# Altium PCB pdb.PcbDoc (part 3 of 3)
Units mm, origin at the board's own origin, x right, y up, seen from the top; angles counter-clockwise.
Board outline 115 x 96 mm, 4 copper layers (Top Layer, PGND, +PBAT, Bottom Layer); 275 components, 205 nets, 915 pads, 468 vias.
Unrouted connection lines stored in the file: 88.
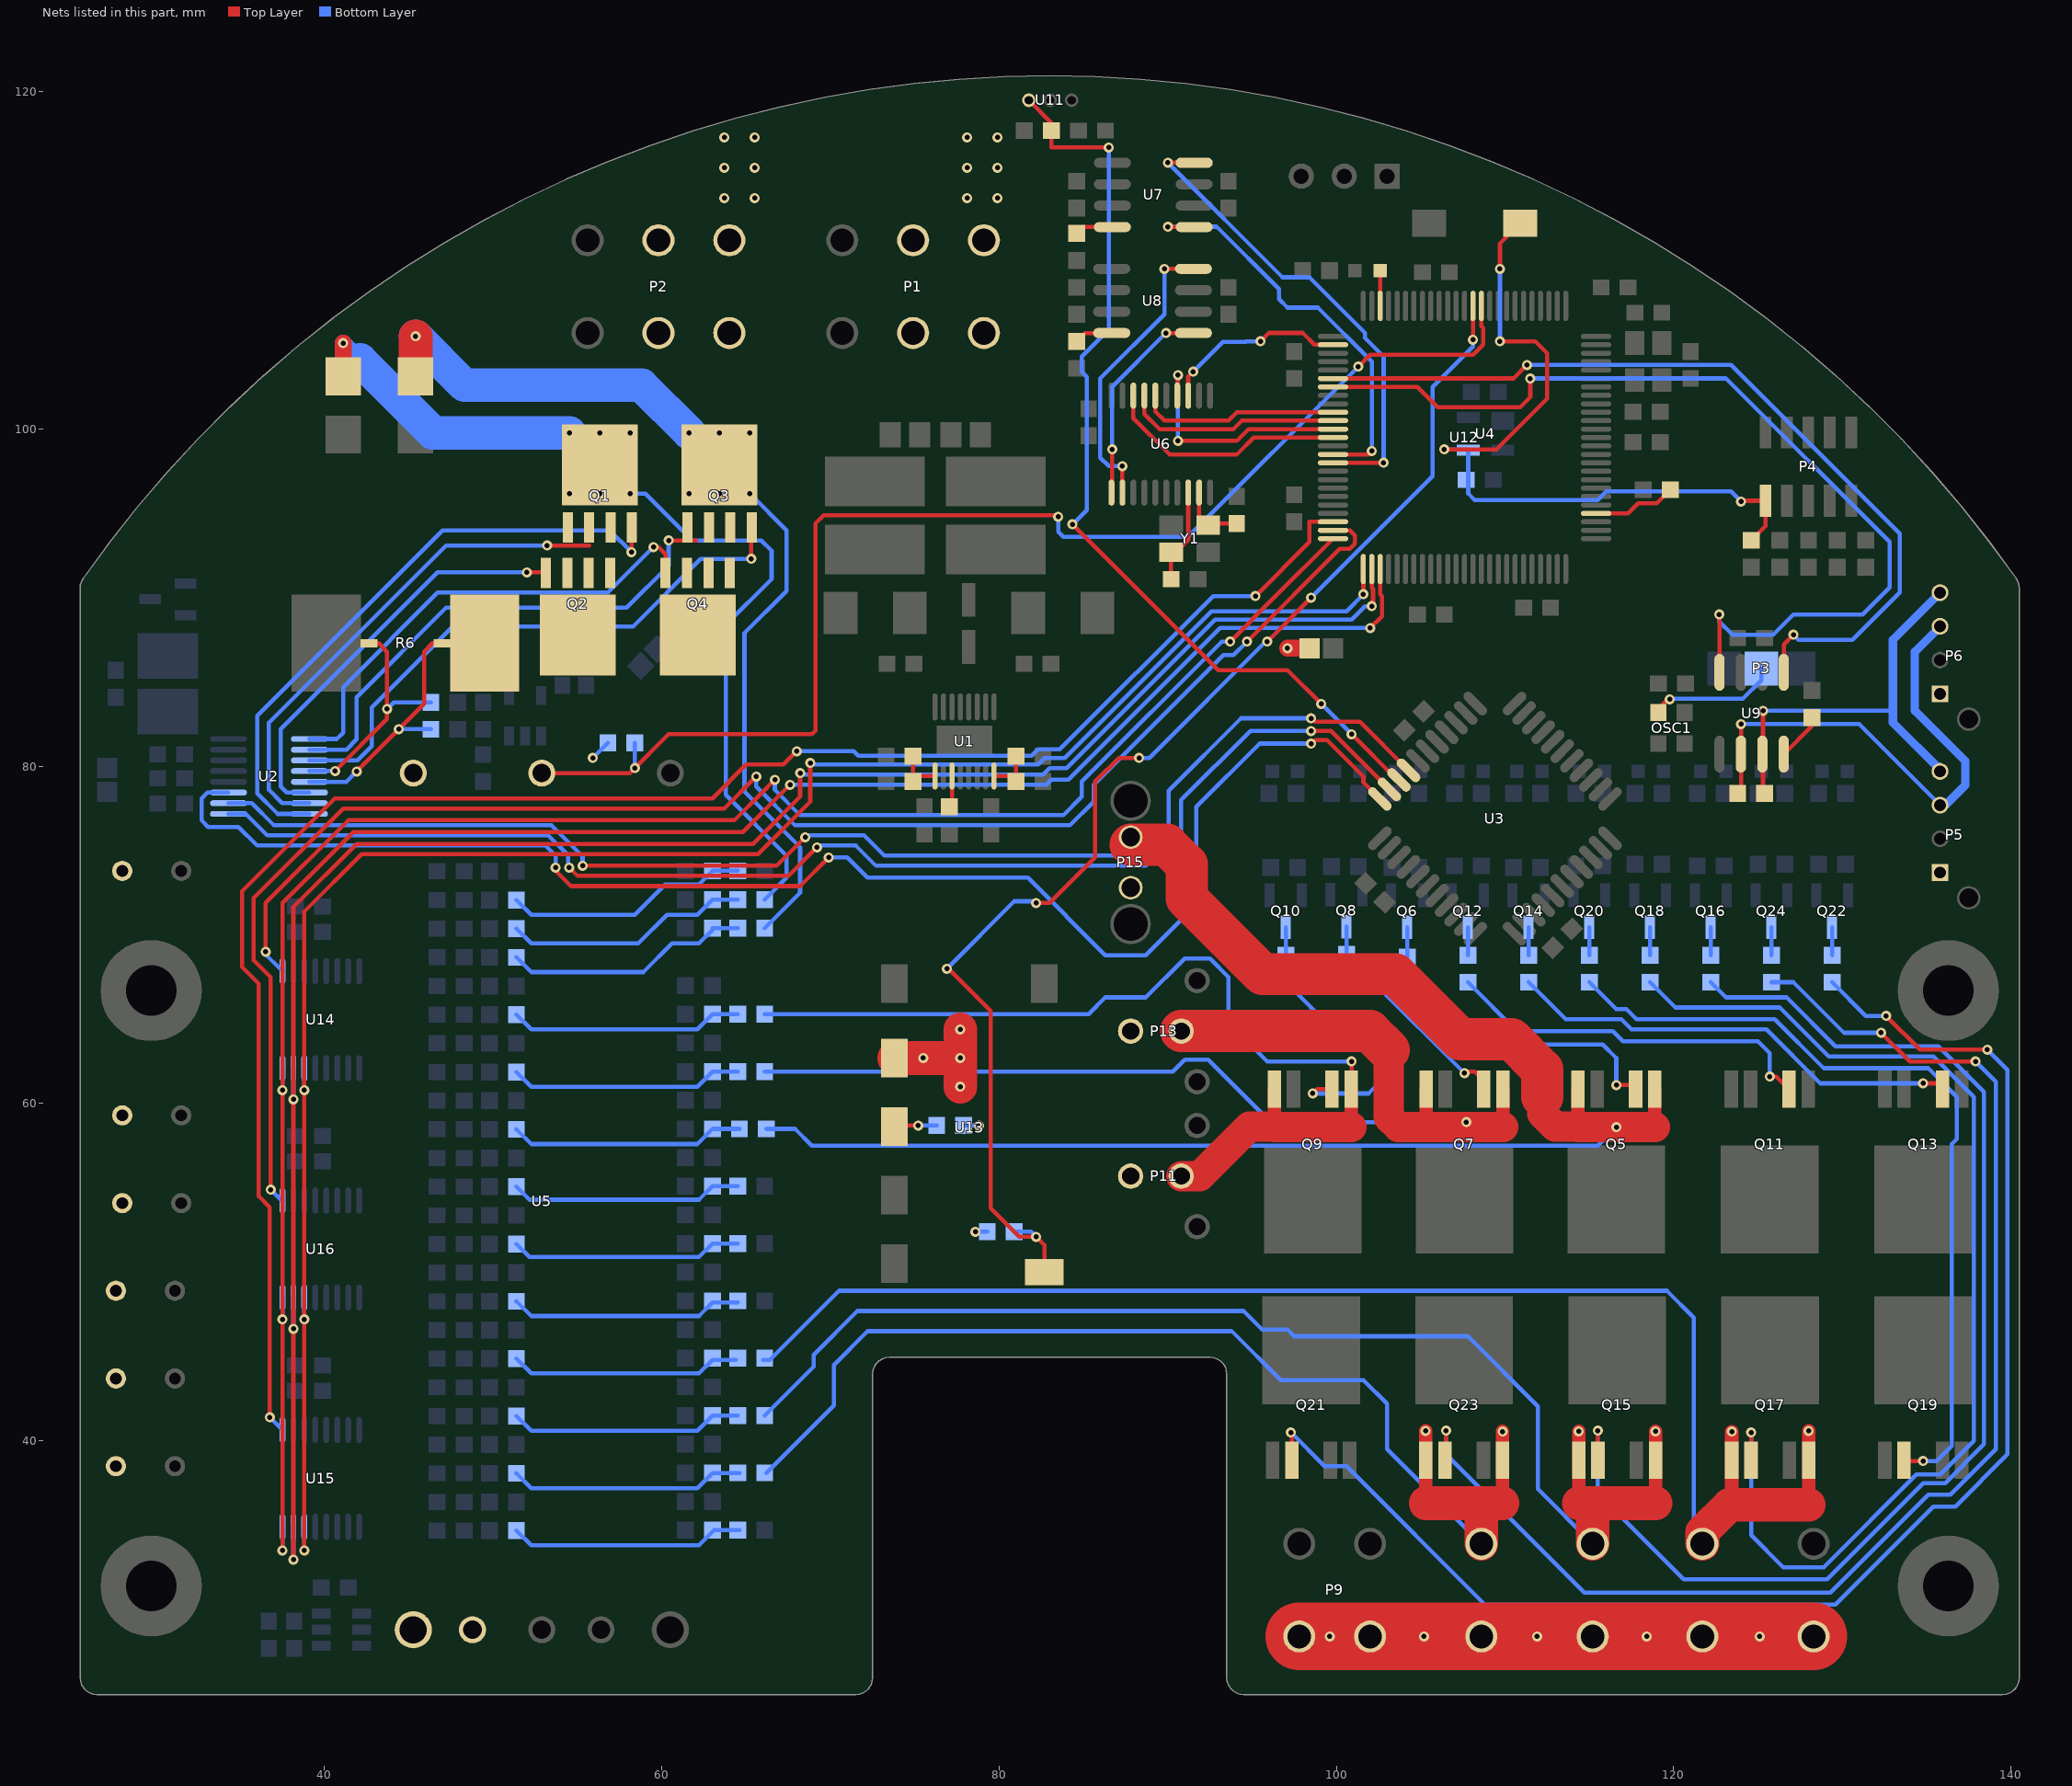
[diagram p5: the nets of this part, all layers, seen from the top]

## Via types
v1: diameter 0.6, hole 0.3, Top Layer to Bottom Layer, 367 vias
v2: diameter 0.6, hole 0.3, Top Layer to Bottom Layer, tented both sides, 87 vias
v3: diameter 0.8, hole 0.4, Top Layer to Bottom Layer, tented both sides, 14 vias

## Nets (pads, with @x,y where several pads share a name; then routed paths per layer and width w, separated by ;. In a path a pad name is that pad's centre, name@x,y a point inside that pad or via, vN(x,y) a via of type N, cw(c..) or ccw(c..) an arc to the next point about the centre after c; other vN are vias at no path point) (continued)
NetP11_2: P11.2 Q9.1 Q9.5 R45.2 | length 57.6
  Top Layer w0.25: Q9.1@100.9,60.87 v1(100.9,62.5)
  Top Layer w0.8: 96.32,58.64 Q9.5@96.32,60.85 ; 100.88,58.62 Q9.1@100.88,60.85
  Top Layer w1.8: P11.2@90.8,55.7 91.9,55.7 94.84,58.64 96.32,58.64 ; 96.32,58.62 100.88,58.62
  Bottom Layer w0.25: R45.2@66.1,65.3 85.3,65.3 86.3,66.3 88.7,66.3 91,68.6 92.5,68.6 93.6,67.5 93.6,64.8 95.9,62.5 v1(100.9,62.5)
NetP12_2: P12.2 Q17.1 Q17.5 R65.2 | length 87.4
  Top Layer w0.8: 123.445,36.345 Q17.1@123.445,38.85 v1(123.445,40.545) ; 128.005,36.205 Q17.5@128.005,38.85 v1(128.005,40.595)
  Top Layer w2: P12.2@121.7,33.9 121.7,34.6 123.305,36.205 128.005,36.205
  Bottom Layer w0.25: R65.2@66,44.8 66.4,44.8 70.5,48.9 119.6,48.9 121.2,47.3 121.2,34.4 P12.2@121.7,33.9
NetP13_2: P13.2 Q7.1 Q7.5 R40.2 | length 71
  Top Layer w0.8: 105.32,58.64 Q7.5@105.32,60.85 ; 109.88,58.62 Q7.1@109.88,60.85
  Top Layer w1.8: 103.1,62.6 103.1,59.2 103.68,58.62 109.88,58.62
  Top Layer w2.5: P13.2@90.8,64.3 101.975,64.3 103.1,63.175
  Bottom Layer w0.25: R40.2@66.1,61.9 90.3,61.9 91,62.6 92.4,62.6 96.1,58.9 v1(107.7,58.9)
NetP14_2: P14.2 Q15.1 Q15.5 R60.2 | length 76.2
  Top Layer w0.8: 114.3,36.3 114.37,36.3 Q15.1@114.37,38.85 v1(114.37,40.57) ; 118.93,36.3 Q15.5@118.93,38.85 v1(118.93,40.57)
  Top Layer w2: 114.37,36.3 115.2,36.3 ; P14.2@115.2,33.9 115.2,36.3 ; 118.93,36.3 115.2,36.3
  Bottom Layer w0.25: R60.2@66.1,41.5 69,44.4 69,45.1 71.6,47.7 94.5,47.7 95.6,46.6 97.1,46.6 97.5,46.2 107.8,46.2 111.95,42.05 111.95,37.15 P14.2@115.2,33.9
NetP15_2: P15.2 Q5.1 Q5.5 R35.2 | length 96.4
  Top Layer w0.8: 114.32,58.64 Q5.5@114.32,60.85 ; 118.88,58.62 Q5.1@118.88,60.85
  Top Layer w1.8: 112.2,60.4 112.2,59.4 112.96,58.64 114.32,58.64 ; 114.32,58.62 118.88,58.62
  Top Layer w2.5: P15.2@87.8,75.35 89.95,75.35 91.125,74.175 91.125,72.175 95.625,67.675 103.5,67.675 107.35,63.825 110.385,63.825 112.2,62.01 112.2,60.4
  Bottom Layer w0.25: R35.2@66.2,58.5 67.9,58.5 68.9,57.5 111.5,57.5 115.5,57.5 v1(116.6,58.6)
NetP16_2: P16.2 Q23.1 Q23.5 R81.2 | length 69.6
  Top Layer w0.8: Q23.1@105.295,38.85 v1(105.295,40.595) ; 105.3,36.3 Q23.1@105.3,38.85 ; 109.855,36.3 Q23.5@109.855,38.85 v1(109.855,40.555)
  Top Layer w2: 105.3,36.3 108.6,36.3 ; P16.2@108.6,33.9 108.6,36.3 ; 109.855,36.3 108.6,36.3
  Bottom Layer w0.25: R81.2@66.2,38.1 70.2,42.1 70.2,44.5 72.2,46.5 93.8,46.5 96.7,43.6 101,43.6 101.6,43.6 103,42.2 103,39.5 P16.2@108.6,33.9
NetQ1_1: Q1.1 Q1.2 Q1.3 Q2.1 Q2.2 Q2.3 U2.15 | length 30.1
  Top Layer w0.25: v1(53.2,93.1) 55.7,93.1
  Bottom Layer w0.25: U2.15@39.1,77.813 37.487,77.813 36.7,78.6 36.7,82.6 47.2,93.1 v1(53.2,93.1)
NetQ1_4: Q1.4 U2.16 | length 36.9
  Top Layer w0.25: v1(58.2,92.7) Q1.4@58.2,94.145
  Bottom Layer w0.25: U2.16@39.1,77.178 37.222,77.178 36,78.4 36,83 47,94 56.9,94 v1(58.2,92.7)
NetQ2_4: Q2.4 U2.14 | length 24.8
  Top Layer w0.25: v1(52,91.5) Q2.4@53.095,91.5
  Bottom Layer w0.25: U2.14@39.1,78.448 37.752,78.448 37.4,78.8 37.4,82.2 46.7,91.5 v1(52,91.5)
NetQ2_5: Q2.5 Q4.5 R6.2
NetQ3_1: Q3.1 Q3.2 Q3.3 Q4.1 Q4.2 Q4.3 U2.10 | length 30.4
  Top Layer w0.25: v1(60.4,93.4) 62.015,93.4
  Bottom Layer w0.25: U2.10@39.1,80.988 41.288,80.988 41.9,81.6 41.9,84.1 47.2,89.4 57.9,89.4 60.4,91.9 v1(60.4,93.4)
NetQ3_4: Q3.4 U2.11 | length 34.3
  Top Layer w0.25: v1(65.3,92.3) Q3.4@65.3,94.145
  Bottom Layer w0.25: U2.11@39.1,80.353 41.953,80.353 42.8,81.2 42.8,83.5 47.6,88.3 58.3,88.3 62.3,92.3 v1(65.3,92.3)
NetQ4_4: Q4.4 U2.9 | length 28.7
  Top Layer w0.25: v1(59.5,93) 59.8,93 60.22,92.58 Q4.4@60.22,91.475
  Bottom Layer w0.25: U2.9@39.1,81.623 40.723,81.623 41.1,82 41.1,84.7 46.7,90.3 56.8,90.3 v1(59.5,93)
NetQ5_2: Q5.2 R36.2 | length 16.7
  Top Layer w0.25: v1(116.6,61.1) Q5.2@117.49,61.1
  Bottom Layer w0.25: R36.2@104.2,67.1 107.8,63.5 115.8,63.5 116.6,62.7 v1(116.6,61.1)
NetQ6_3: Q6.3 R36.1 | length 1.7
  Bottom Layer w0.25: R36.1@104.2,68.7 Q6.3@104.2,70.45
NetQ7_2: Q7.2 R41.2 | length 11.2
  Top Layer w0.25: v1(107.6,61.8) 107.7,61.9 108.2,61.9 108.74,61.36 Q7.2@108.74,60.85
  Bottom Layer w0.25: R41.2@100.6,67.25 102.15,67.25 v1(107.6,61.8)
NetQ8_3: Q8.3 R41.1 | length 1.6
  Bottom Layer w0.25: R41.1@100.6,68.85 Q8.3@100.6,70.5
NetQ9_2: Q9.2 R46.2 | length 15.4
  Top Layer w0.25: v1(98.6,60.6) 98.85,60.85 Q9.2@99.74,60.85
  Bottom Layer w0.25: R46.2@97,67.2 99.9,64.3 102.1,64.3 103,63.4 103,61.7 101.9,60.6 v1(98.6,60.6)
NetQ10_3: Q10.3 R46.1 | length 1.6
  Bottom Layer w0.25: R46.1@97,68.8 Q10.3@97,70.45
NetQ11_2: Q11.2 R51.2 | length 22.5
  Top Layer w0.25: v1(125.7,61.6) 126.09,61.6 Q11.2@126.84,60.85
  Bottom Layer w0.25: R51.2@107.8,67.2 110.7,64.3 116.4,64.3 117,63.7 125,63.7 125.7,63 v1(125.7,61.6)
NetQ12_3: Q12.3 R51.1 | length 1.6
  Bottom Layer w0.25: R51.1@107.8,68.8 Q12.3@107.8,70.45
NetQ13_2: Q13.2 R56.2 | length 26.7
  Top Layer w0.25: v1(134.8,61.2) Q13.2@135.59,61.2
  Bottom Layer w0.25: R56.2@111.4,67.2 113.6,65 116.9,65 117.5,64.4 125.5,64.4 128.7,61.2 v1(134.8,61.2)
NetQ14_3: Q14.3 R56.1 | length 1.6
  Bottom Layer w0.25: R56.1@111.4,68.8 Q14.3@111.4,70.45
NetQ15_2: Q15.2 R61.2 | length 73.6
  Top Layer w0.25: Q15.2@115.5,38.86 v1(115.5,40.6)
  Bottom Layer w0.25: v1(115.5,40.6) 115.5,36.9 120.6,31.8 129.1,31.8 134.8,37.5 136.1,37.5 138.4,39.8 138.4,60.7 135.7,63.4 129.6,63.4 126.7,66.3 123.1,66.3 R61.2@122.2,67.2
NetQ16_3: Q16.3 R61.1 | length 1.7
  Bottom Layer w0.25: R61.1@122.2,68.8 Q16.3@122.2,70.45
NetQ17_2: Q17.2 R66.2 | length 67.2
  Top Layer w0.25: Q17.2@124.6,38.865 v1(124.6,40.5)
  Bottom Layer w0.25: R66.2@118.6,67.2 120.1,65.7 126.3,65.7 129.2,62.8 135.4,62.8 137.8,60.4 137.8,40 135.8,38 134.4,38 128.9,32.5 126.5,32.5 124.6,34.4 v1(124.6,40.5)
NetQ18_3: Q18.3 R66.1 | length 1.6
  Bottom Layer w0.25: R66.1@118.6,68.8 Q18.3@118.6,70.45
NetQ19_2: Q19.2 R71.2 | length 48.6
  Top Layer w0.25: Q19.2@133.71,38.8 v1(134.8,38.8)
  Bottom Layer w0.25: R71.2@115,67.2 116.6,65.6 117.2,65.6 117.8,65 126,65 128.9,62.1 135.1,62.1 136.8,60.4 136.8,57.9 136.5,57.6 136.5,39.7 135.6,38.8 v1(134.8,38.8)
NetQ20_3: Q20.3 R71.1 | length 1.6
  Bottom Layer w0.25: R71.1@115,68.8 Q20.3@115,70.45
NetQ21_2: Q21.2 R76.2 | length 87.4
  Top Layer w0.25: v1(97.3,40.5) 97.36,40.44 Q21.2@97.36,38.85 ; v1(132.6,65.2) 134.6,63.2 v1(138.6,63.2)
  Bottom Layer w0.25: v1(97.3,40.5) 99.3,38.5 100.6,38.5 108.8,30.3 129.6,30.3 135.4,36.1 136.7,36.1 139.8,39.2 139.8,62 v1(138.6,63.2) ; R76.2@129.4,67.2 131.4,65.2 v1(132.6,65.2)
NetQ22_3: Q22.3 R76.1 | length 1.7
  Bottom Layer w0.25: R76.1@129.4,68.8 Q22.3@129.4,70.45
NetQ23_2: Q23.2 R82.2 | length 80.1
  Top Layer w0.25: Q23.2@106.5,38.915 v1(106.5,40.6) ; v1(132.3,64.2) 134,62.5 v1(137.9,62.5)
  Bottom Layer w0.25: v1(106.5,40.6) 106.5,39.2 114.7,31 129.3,31 135.1,36.8 136.4,36.8 139.1,39.5 139.1,61.3 v1(137.9,62.5) ; R82.2@125.8,67.2 127.1,67.2 130.1,64.2 v1(132.3,64.2)
NetQ24_3: Q24.3 R82.1 | length 1.6
  Bottom Layer w0.25: R82.1@125.8,68.8 Q24.3@125.8,70.45
NetR1_1: R1.1 R3.2 U1.16 | length 2.5
  Top Layer w0.25: U1.16@79.7,79.425 R3.2@80.675,79.425 ; R3.2@81,79.1 R1.1@81,80.6
NetR2_1: R2.1 R4.2 U1.9 | length 2.5
  Top Layer w0.25: R4.2@74.9,79.1 R2.1@74.9,80.6 ; R4.2@75.225,79.425 U1.9@76.2,79.425
NetR5_2: R5.2 U1.11 | length 1.7
  Top Layer w0.25: R5.2@77.2,77.75 U1.11@77.2,79.425
NetR6_3: R6.3 R115.2 U2.12 | length 13.9
  Top Layer w0.25: v1(40.618,79.718) 43.7,82.8 43.7,86.8 43.2,87.3 R6.3@42.641,87.3
  Bottom Layer w0.25: U2.12@39.1,79.718 v1(40.618,79.718) ; v1(43.7,83.4) 44.1,83.8 R115.2@46.3,83.8
NetR6_4: R6.4 R114.2 U2.13 | length 15.8
  Top Layer w0.25: v1(41.9,79.7) 45.9,83.7 45.9,86.8 46.4,87.3 R6.4@46.959,87.3
  Bottom Layer w0.25: U2.13@39.1,79.083 40.5,79.083 ; v1(41.9,79.7) 41.283,79.083 ; v1(44.4,82.2) R114.2@46.3,82.2 ; 40.5,79.083 41.283,79.083 ; 40.5,79.083 41.283,79.083
NetR26_2: R26.2 U7.8 | length 2.3
  Top Layer w0.25: R26.2@84.6,111.6 84.981,111.981 U7.8@86.718,111.981
NetR27_2: R27.2 U8.8 | length 2.3
  Top Layer w0.25: R27.2@84.6,105.2 85.095,105.695 U8.8@86.675,105.695
NetR28_2: R28.2 U9.8 | length 2.9
  Top Layer w0.25: U9.8@126.53,80.725 128.2,82.395 R28.2@128.2,82.9
NetR32_2: R32.2 U3.20 U11.3 | length 55.4
  Top Layer w0.25: U11.3@81.76,119.5 R32.2@83.1,118.16 ; R32.2@83.1,117.7 83.1,116.7 v1(86.5,116.7) ; v1(84.35,94.35) 93,85.7 97.1,85.7 v1(99.1,83.7) ; v1(100.9,81.9) 103.602,79.198 U3.20@103.708,79.198
  Bottom Layer w0.25: v1(84.35,94.35) 85.2,95.2 85.2,103.1 84.9,103.4 84.9,104.3 86.5,105.9 v1(86.5,116.7) ; v1(99.1,83.7) v1(100.9,81.9)
NetR33_1: R33.1 U12.4 | length 5
  Top Layer w0.25: U12.4@115.4,95 117.3,95 117.9,95.6 119,95.6 R33.1@119.8,96.4
NetR86_2: R86.2 U13.5 | length 2.5
  Top Layer w0.25: U13.5@73.85,58.7 v1(75.2,58.7)
  Bottom Layer w0.25: v1(75.2,58.7) R86.2@76.3,58.7
NetR112_1: R112.1 U5.2 U12.36 | length 79
  Top Layer w0.25: U5.2@52.88,79.6 58.1,79.6 60.4,81.9 68.9,81.9 69.1,82.1 69.1,94.4 69.6,94.9 83.4,94.9 v1(83.5,94.8) ; v1(101.3,103.7) 102,104.4 108.1,104.4 108.7,105 108.7,106 108.6,106.1 U12.36@108.6,107.3
  Bottom Layer w0.25: v1(58.4,79.9) R112.1@58.4,81.4 ; v1(83.5,94.8) 83.5,93.9 83.8,93.6 91.2,93.6 v1(101.3,103.7)
NetR113_1: R113.1 U12.37 U13.1 | length 77.3
  Top Layer w0.25: v1(76.9,68) 77,68 79.5,65.5 79.5,53.8 81.2,52.1 v1(82.2,52.1) 82.68,51.62 U13.1@82.68,50.01 ; v1(82.2,71.9) 83,71.9 85.7,74.6 85.7,79.1 87.1,80.5 v1(88.3,80.5) ; v1(95.9,87.4) v1(98.5,90) ; v1(108.1,105.3) U12.37@108.1,107.3
  Bottom Layer w0.25: v1(76.9,68) 80.9,72 82.1,72 v1(82.2,71.9) ; R113.1@80.9,52.4 81.9,52.4 v1(82.2,52.1) ; v1(88.3,80.5) 88.9,80.5 95.9,87.5 v1(95.9,87.4) ; v1(98.5,90) 105.7,97.2 105.7,102.5 108.1,104.9 v1(108.1,105.3)
NetU2_1: U2.1 U3.21 | length 77.7
  Top Layer w0.25: v1(54.5,74) 55,73.5 67.5,73.5 v1(69.2,75.2) ; v1(98.5,82.1) 99.675,82.1 U3.21@103.142,78.632
  Bottom Layer w0.25: U2.1@34.3,77.178 35.322,77.178 36.6,75.9 53.278,75.9 54.45,74.728 54.45,74.05 v1(54.5,74) ; v1@69.3,75.3 71.5,75.3 72.7,74.1 88.7,74.1 90.8,76.2 90.8,78 94.9,82.1 v1(98.5,82.1)
NetU2_2: U2.2 U3.19 | length 79
  Top Layer w0.25: v1(55.3,74.1) 66.8,74.1 v1(68.5,75.8) ; v1(98.5,82.85) 98.563,82.85 98.763,82.65 101.387,82.65 U3.19@104.273,79.764
  Bottom Layer w0.25: U2.2@34.3,77.813 35.687,77.813 37,76.5 53.456,76.5 55.3,74.656 v1(55.3,74.1) ; v1(68.5,75.8) 68.6,75.9 72,75.9 73.2,74.7 88.3,74.7 90.05,76.45 90.05,78.55 94.35,82.85 v1(98.5,82.85)
NetU2_3: U2.3 U3.22 | length 88.5
  Top Layer w0.25: v1(53.7,74) 53.7,73.8 54.6,72.9 68.2,72.9 v1(69.9,74.6) ; v1(98.5,81.35) 98.563,81.35 98.763,81.55 99.447,81.55 101.6,79.397 101.6,79.043 U3.22@102.576,78.067
  Bottom Layer w0.25: U2.3@34.3,78.448 33.048,78.448 32.7,78.1 32.7,76.8 33.1,76.4 34.9,76.4 36,75.3 53.1,75.3 53.7,74.7 v1(53.7,74) ; v1(69.9,74.6) 71,74.6 72.2,73.4 81.7,73.4 86.3,68.8 88.7,68.8 91.7,71.8 91.7,77.6 95.45,81.35 v1(98.5,81.35)
NetU6_13: U6.13 U12.52 | length 11.1
  Top Layer w0.25: U6.13@91.211,101.983 91.211,103.111 v1(91.5,103.4) ; v1(95.5,105.2) 96,105.7 98,105.7 98.7,105 U12.52@99.8,105
  Bottom Layer w0.25: v1(91.5,103.4) 93.275,105.175 94.625,105.175 ; 94.625,105.2 v1(95.5,105.2)
NetU6_14: U6.14 U12.62 | length 14.6
  Top Layer w0.25: v1(90.6,99.3) 94.1,99.3 94.8,100 U12.62@99.8,100 ; U6.14@90.6,102.021 v1(90.6,103.2)
  Bottom Layer w0.25: v1(90.6,99.3) v1(90.6,103.2)
NetU6_16: U6.16 U12.60 | length 11.9
  Top Layer w0.25: U6.16@89.261,101.983 89.261,101.039 89.8,100.5 93.6,100.5 94.1,101 U12.60@99.8,101
NetU6_17: U6.17 U12.61 | length 12.9
  Top Layer w0.25: U6.17@88.611,101.983 88.611,100.889 89.5,100 93.9,100 94.4,100.5 U12.61@99.8,100.5
NetU6_18: U6.18 U12.63 | length 14.5
  Top Layer w0.25: U6.18@87.961,101.983 87.961,100.639 90.1,98.5 94.1,98.5 95.1,99.5 U12.63@99.8,99.5
NetU7_1: U7.1 U12.65 | length 25
  Top Layer w0.25: v1(90,112) 90.019,111.981 U7.1@91.568,111.981 ; U12.65@99.8,98.5 101.9,98.5 v1(102.1,98.7)
  Bottom Layer w0.25: v1(90,112) 92.9,112 96.6,108.3 96.6,107.7 97.1,107.2 98.9,107.2 102.1,104 v1(102.1,98.7)
NetU7_4: U7.4 U12.66 | length 28.6
  Top Layer w0.25: v1(90,115.8) 91.558,115.8 U7.4@91.568,115.791 ; U12.66@99.8,98 v1(102.8,98)
  Bottom Layer w0.25: v1(90,115.8) 96.8,109 98.4,109 101.7,105.7 101.7,105.4 102.8,104.3 v1(102.8,98)
NetU8_1: U6.1 U8.1 | length 12.4
  Top Layer w0.25: U6.1@86.7,96.271 v1(86.7,98.8) ; v1(89.9,105.7) 89.905,105.695 U8.1@91.525,105.695
  Bottom Layer w0.25: v1(86.7,98.8) 86.7,102.5 v1(89.9,105.7)
NetU8_4: U6.2 U8.4 | length 17.6
  Top Layer w0.25: v1(87.3,97.8) 87.3,96.244 U6.2@87.311,96.233 ; v1(89.8,109.5) 89.805,109.505 U8.4@91.525,109.505
  Bottom Layer w0.25: v1(87.3,97.8) 86.5,97.8 86,98.3 86,103 89.8,106.8 v1(89.8,109.5)
NetU9_1: U9.1 U12.56 | length 51.6
  Top Layer w0.25: U12.56@99.8,103 110.5,103 v1(111.3,103.8) ; U9.1@126.53,85.575 126.53,87.23 v1(127.1,87.8)
  Bottom Layer w0.25: v1(111.3,103.8) 123.4,103.8 133.4,93.8 133.4,90.3 130.6,87.5 127.4,87.5 v1(127.1,87.8)
NetU9_4: U9.4 U12.57 | length 57
  Top Layer w0.25: U12.57@99.8,102.5 104.8,102.5 106,101.3 110.9,101.3 111.5,101.9 v1(111.5,103) ; v1(122.7,89) 122.72,88.98 U9.4@122.72,85.575
  Bottom Layer w0.25: v1(111.5,103) 123.1,103 132.8,93.3 132.8,90.6 131.2,89 127.1,89 125.9,87.8 123.5,87.8 122.7,88.6 v1(122.7,89)
NetU9_6: P5.3 P6.3 R29.2 U9.6 | length 30.9
  Top Layer w0.25: R29.2@124,78.6 v1(124,82.5)
  Bottom Layer w0.25: v1(124,82.5) 131,82.5 P5.3@135.8,77.7
  Bottom Layer w0.5: P5.3@135.8,77.7 136.1,77.7 137.3,78.9 137.3,80.3 134.3,83.3 134.3,86.8 P6.3@135.8,88.3
NetU9_7: P5.4 P6.4 R29.1 U9.7 | length 25.6
  Top Layer w0.25: v1(125.3,83.3) 125.3,78.5 R29.1@125.4,78.4
  Bottom Layer w0.25: v1(125.3,83.3) 133,83.3
  Bottom Layer w0.5: P5.4@135.8,79.7 135.8,79.8 133,82.6 133,83.3 133,87.5 P6.4@135.8,90.3
NetU12_73: U12.73 U15.1 | length 107.6
  Top Layer w0.25: v1(36.75,41.4) 36.75,53.85 36.1,54.5 36.1,67.1 35.1,68.1 35.1,72.6 40.6,78.1 63,78.1 65,80.1 67.2,80.1 v1(68,80.9) ; v1(95.2,90.1) 98.4,93.3 98.4,94.5 U12.73@99.8,94.5
  Bottom Layer w0.25: v1(36.75,41.4) U15.1@37.5,40.65 ; v1(68,80.9) 71.37,80.9 71.645,80.625 81.925,80.625 82.3,81 83.6,81 92.7,90.1 v1(95.2,90.1)
NetU12_74: U12.74 U16.1 | length 97.9
  Top Layer w0.25: v1(36.8,54.9) 36.8,67.5 35.8,68.5 35.8,72.2 41.1,77.5 63.7,77.5 v1(65.6,79.4) ; v1(94.7,87.4) 100.2,92.9 100.8,92.9 101.1,93.2 101.1,93.7 100.8,94 U12.74@99.8,94
  Bottom Layer w0.25: v1(36.8,54.9) 37.45,54.25 U16.1@37.5,54.25 ; v1(65.6,79.4) 65.6,78.8 67.9,76.5 84.2,76.5 85.6,77.9 85.6,78.9 93.3,86.6 93.9,86.6 v1(94.7,87.4)
NetU12_75: U12.75 U14.1 | length 79.5
  Top Layer w0.25: v1(36.5,69) 36.5,71.9 41.4,76.8 64.3,76.8 65.9,78.4 v1(66.7,79.2) ; v1(93.7,87.4) 96.3,90 U12.75@99.8,93.5
  Bottom Layer w0.25: v1(36.5,69) 36.35,69 U14.1@37.5,67.85 ; v1(66.7,79.2) 66.7,78.6 68.2,77.1 83.8,77.1 84.9,78.2 84.9,79.1 93.2,87.4 v1(93.7,87.4)
NetU12_76: U12.76 U14.14 U15.14 U16.14 | length 115.4
  Top Layer w0.25: v1(38.8,33.5) v1(38.8,47.2) v1(38.8,60.8) 38.8,71.4 42.2,74.8 65.7,74.8 68.8,77.9 v1(68.8,80.2) ; v1(101.6,90.2) U12.76@101.6,91.7
  Bottom Layer w0.25: v1(38.8,33.5) U15.14@38.8,34.9 ; v1(38.8,47.2) U16.14@38.8,48.5 ; v1(38.8,60.8) U14.14@38.8,62.1 ; v1(68.8,80.2) 68.9,80.1 82.3,80.1 82.7,80.5 83.9,80.5 92.6,89.2 100.6,89.2 v1(101.6,90.2)
NetU12_77: U12.77 U14.15 U15.15 U16.15 | length 118.7
  Top Layer w0.25: v1(38.15,32.95) v1(38.15,46.65) v1(38.15,60.25) 38.15,71.65 41.9,75.4 65.4,75.4 68.2,78.2 v1(68.2,79.6) ; v1(102.1,89.5) 102.175,89.575 102.175,90.513 102.1,90.588 U12.77@102.1,91.7
  Bottom Layer w0.25: v1(38.15,32.95) U15.15@38.15,34.9 ; v1(38.15,46.65) U16.15@38.15,48.5 ; v1(38.15,60.25) U14.15@38.15,62.1 ; v1@68.3,79.5 82.6,79.5 83,79.9 84,79.9 92.8,88.7 100.9,88.7 101.7,89.5 v1(102.1,89.5)
NetU12_78: U12.78 U14.16 U15.16 U16.16 | length 117.5
  Top Layer w0.25: v1(37.5,33.5) v1(37.5,47.2) v1(37.5,60.8) 37.5,71.9 41.7,76.1 64.8,76.1 v1(67.6,78.9) ; v1(102,88.2) 102.7,88.9 102.7,90.1 102.6,90.2 U12.78@102.6,91.7
  Bottom Layer w0.25: v1(37.5,33.5) U15.16@37.5,34.9 ; v1(37.5,47.2) U16.16@37.5,48.5 ; v1(37.5,60.8) U14.16@37.5,62.1 ; v1(67.6,78.9) 82.8,78.9 83.1,79.2 84.1,79.2 93.1,88.2 v1(102,88.2)
NRST: C16.1 P4.10 R25.1 S1.2 U4.3 | length 45.6
  Top Layer w0.25: v1(106.4,98.8) 109.5,98.8 112.5,101.8 112.5,104.5 111.8,105.2 v1(109.7,105.2) ; v1(109.7,109.5) 109.7,111 S1.2@110.9,112.2 ; v1(124,95.7) 124.05,95.75 P4.10@125.45,95.75 125.45,94.25 R25.1@124.6,93.4 R25.1@124.7,93.4
  Bottom Layer w0.25: v1(106.4,98.8) U4.3@107.771,98.8 ; U4.3@107.818,98.753 107.818,96.182 108.2,95.8 115.5,95.8 116,96.3 123.4,96.3 v1(124,95.7) ; v1(109.7,105.2) v1(109.7,109.5)
OSC1: C18.1 U6.9 Y1.2 | length 3
  Top Layer w0.25: Y1.2@91.861,94.839 U6.9@91.861,96.233 ; Y1.2@92.5,94.4 C18.1@94.1,94.4
OSC2: C19.1 U6.8 Y1.1 | length 5.9
  Top Layer w0.25: C19.1@90.2,91.1 Y1.1@90.2,92.7 ; Y1.1@90.2,92.4 91.211,93.411 U6.8@91.211,96.233
OSC_EN: OSC1.1 P3.2 | length 7.7
  Top Layer w0.25: OSC1.1@119.1,83.2 119.1,83.4 119.675,83.975 v1(119.775,83.975)
  Bottom Layer w0.25: v1(119.775,83.975) 119.8,84 124.1,84 125.2,85.1 P3.2@125.2,85.8
PGND: C73.2 C74.2 C75.2 C76.2 C78.2 C79.2 NT1.2 P1.1 P1.2 P2.1 P2.2 P5.1 P6.1 P9.1 P9.3 P10.1 P11.1 P12.1 P13.1 P14.1 P15.1 P16.1 R86.1 R112.2 R113.2 U5.1 U5.4 U5.5 U13.4 | length 42
  Top Layer w1: v1(97.1,87) NT1.2@98.4,87
  Top Layer w2: U13.4@73.79,62.7 v2(75.5,62.7) v2(77.7,62.7) ; v2(77.7,61) v2(77.7,62.7) ; v2(77.7,64.4) v2(77.7,62.7)
  Top Layer w4: P9.3@97.8,28.4 P16.1@108.6,28.4 P14.1@115.2,28.4 P12.1@121.7,28.4 P10.1@128.3,28.4
  Bottom Layer w0.25: v1(55.9,80.5) R112.2@56.8,81.4 ; R86.1@77.9,58.7 v1(78.8,58.7) ; v1(78.6,52.4) R113.2@79.3,52.4
  other v1: 63.7,113.7 65.5,113.7 78.1,113.7 79.9,113.7 63.7,115.5 65.5,115.5 78.1,115.5 79.9,115.5 63.7,117.3 65.5,117.3 78.1,117.3 79.9,117.3
  other v2: 99.6,28.4 105.2,28.4 111.9,28.4 118.4,28.4 125.1,28.4
PWR_1_V: D3.1 P2.3 P2.4 Q1.5 R7.2 | length 51.2
  Top Layer w1: D3.1@41.1,103.125 v1(41.1,105.1)
  Bottom Layer w0.25: v1(58.125,96.175) 59.025,96.175 61.8,93.4 65.9,93.4 66.506,92.794 66.506,91.106 63.8,88.4 63.8,78.3 67.4,74.7 67.4,73.4 R7.2@66.1,72.1
  Bottom Layer w1: v1(41.1,105.1) 42.1,104.1
  Bottom Layer w2: 42.1,104.1 46.425,99.775 47,99.775 v1(54.525,99.775)
  other v1: 54.525,96.175 56.325,96.175 56.325,99.775 58.125,99.775
PWR_1_V_SCALED: R7.1 R10.1 R89.1 | length 14.6
  Bottom Layer w0.25: R89.1@51.375,70.375 52.25,69.5 58.6,69.5 60.3,71.2 62.1,71.2 R10.1@63,72.1 R7.1@64.5,72.1
PWR_2_V: D4.1 P1.3 P1.4 Q3.5 R8.2 | length 50.9
  Top Layer w2: D4.1@45.4,103.125 v1(45.4,105.5)
  Bottom Layer w0.25: v1(65.225,96.175) 67.4,94 67.4,90.4 64.9,87.9 64.9,78.5 68.2,75.2 68.2,72.5 R8.2@66.1,70.4
  Bottom Layer w2: v1(45.4,105.5) 48.3,102.6 58.8,102.6 v1(61.625,99.775)
  other v1: 61.625,96.175 63.425,96.175 63.425,99.775 65.225,99.775
PWR_2_V_SCALED: R8.1 R11.1 R90.1 | length 14.6
  Bottom Layer w0.25: R90.1@51.375,68.675 52.25,67.8 58.9,67.8 60.6,69.5 62.2,69.5 63,70.3 R11.1@63,70.4 R8.1@64.5,70.4
PWR_OUT_V_SCALED: R9.1 R12.1 R88.1 | length 14.6
  Bottom Layer w0.25: R88.1@51.375,72.075 52.25,71.2 58.4,71.2 60.2,73 62.2,73 R12.1@63,73.8 R9.1@64.5,73.8
"VOLTAGE_REF_U_output controller1": R81.1 R84.2 R101.1 | length 14
  Bottom Layer w0.25: R101.1@51.375,38.075 52.25,37.2 62.1,37.2 R84.2@63,38.1 R81.1@64.6,38.1
"VOLTAGE_REF_U_output controller2": R35.1 R38.2 R104.1 | length 14
  Bottom Layer w0.25: R104.1@51.375,58.475 52.25,57.6 62.1,57.6 R38.2@63,58.5 R35.1@64.6,58.5
"VOLTAGE_REF_U_output controller3": R40.1 R43.2 R91.1 | length 13.9
  Bottom Layer w0.25: R91.1@51.375,61.875 52.25,61 62.1,61 R43.2@63,61.9 R40.1@64.5,61.9
"VOLTAGE_REF_U_output controller4": R45.1 R48.2 R93.1 | length 13.9
  Bottom Layer w0.25: R93.1@51.375,65.275 52.25,64.4 62.1,64.4 R48.2@63,65.3 R45.1@64.5,65.3
"VOLTAGE_REF_U_output controller5": R50.1 R53.2 R106.1 | length 13.8
  Bottom Layer w0.25: R106.1@51.375,55.075 52.15,54.3 62.2,54.3 R53.2@63,55.1 R50.1@64.5,55.1
"VOLTAGE_REF_U_output controller6": R55.1 R58.2 R109.1 | length 13.8
  Bottom Layer w0.25: R109.1@51.375,51.675 52.15,50.9 62.2,50.9 R58.2@63,51.7 R55.1@64.5,51.7
"VOLTAGE_REF_U_output controller7": R60.1 R63.2 R98.1 | length 13.9
  Bottom Layer w0.25: R98.1@51.375,41.475 52.25,40.6 62.1,40.6 R63.2@63,41.5 R60.1@64.5,41.5
"VOLTAGE_REF_U_output controller8": R65.1 R68.2 R96.1 | length 13.7
  Bottom Layer w0.25: R96.1@51.375,44.875 52.25,44 62.2,44 63,44.8 R65.1@64.4,44.8
"VOLTAGE_REF_U_output controller9": R70.1 R73.2 R107.1 | length 13.8
  Bottom Layer w0.25: R107.1@51.375,48.275 52.25,47.4 62.2,47.4 63,48.2 R70.1@64.5,48.2
"VOLTAGE_REF_U_output controller10": R75.1 R78.2 R99.1 | length 14
  Bottom Layer w0.25: R99.1@51.375,34.675 52.25,33.8 62.2,33.8 63.1,34.7 R75.1@64.6,34.7
WATCHDOG: D16.2 U12.48 | length 2.2
  Top Layer w0.25: U12.48@102.6,107.3 D16.2@102.6,109.5
pads on no net: D15. P4.7 P5. P6. P11. P13. P15. R6.1 U3.43 U3.44 U5.6 U6.3 U6.4 U6.5 U6.6 U6.7 U6.11 U6.12 U6.15 U7.5 U8.5 U9.5 U12.6 U12.7 U12.8 U12.9 U12.13 U12.14 U12.16 U12.18 U12.20 U12.21 U12.24 U12.25 U12.26 U12.27 U12.29 U12.30 U12.32 U12.33 U12.34 U12.35 U12.38 U12.39 U12.40 U12.43 U12.44 U12.45 U12.49 U12.50 U12.51 U12.53 U12.59 U12.64 U12.67 U12.68 U12.69 U12.70 U12.82 U12.100 U13.3 U13.7 Y1.3 Y1.4 Y2.3 Y2.4
copper on no net:
  other v3: 73.625,87.15

## Polygon pours and split planes (outlines as drawn)
GND on Bottom Layer "GND" (solid, shelved, pour order 1001): 26.5,24.956 71.5,24.956 71.723,24.981 71.934,25.055 72.123,25.174 72.282,25.333 72.401,25.522 72.475,25.734 72.5,25.956 72.5,43.956 72.525,44.179 72.599,44.39 72.718,44.58 72.877,44.738 73.066,44.857 73.277,44.931 73.5,44.956 92.5,44.956 92.723,44.931 92.934,44.857 93.123,44.738 93.282,44.58 93.401,44.39 93.475,44.179 93.5,43.956 93.5,25.956 93.525,25.734 93.599,25.522 93.718,25.333 93.877,25.174 94.066,25.055 94.277,24.981 94.5,24.956 139.5,24.956 139.723,24.981 139.934,25.055 140.123,25.174 140.282,25.333 140.401,25.522 140.475,25.734 140.5,25.956 140.5,90.564 140.479,90.766 140.418,90.96 140.319,91.138 138.735,93.307 137.069,95.414 135.324,97.456 133.501,99.429 131.604,101.331 129.636,103.159 127.599,104.91 125.496,106.581 123.33,108.17 121.106,109.676 118.825,111.094 116.491,112.425 114.108,113.664 111.679,114.812 109.208,115.865 106.699,116.823 104.154,117.683 101.579,118.446 98.976,119.109 96.349,119.672 93.703,120.133 91.041,120.493 88.367,120.75 85.686,120.905 83,120.956 80.314,120.905 77.633,120.75 74.959,120.493 72.297,120.133 69.651,119.672 67.024,119.109 64.421,118.446 61.846,117.683 59.301,116.823 56.792,115.865 54.321,114.812 51.892,113.664 49.509,112.425 47.175,111.094 44.894,109.676 42.67,108.17 40.504,106.581 38.401,104.91 36.364,103.159 34.396,101.331 32.499,99.429 30.676,97.456 28.931,95.414 27.265,93.307 25.681,91.138 25.582,90.96 25.521,90.766 25.5,90.564 25.5,25.956 25.525,25.734 25.599,25.522 25.718,25.333 25.876,25.175 26.066,25.055 26.277,24.981
AGND on Bottom Layer "AGND" (solid, shelved, pour order 1000): 73,23 73,72.409 57.819,87.7 47.699,87.7 35.1,75.01 35.1,23
+3.3 on Top Layer "+3.3" (solid, shelved, pour order 1000): 141,66.6 141,93.3 130.7,103.6 119.9,111.6 105.5,118.4 96.1,120.6 85.7,121.7 82.3,121.9 82.3,102.4 83.4,102.4 83.4,83.9 84.8,83.8 84.8,66.6
PWR_2_V on Top Layer "pwr_2_v" (solid, shelved, pour order 1005): 59.925,94.55 59.925,102.875 61.85,104.8 64.14,104.8 67.145,107.806 67.227,107.888 67.227,115.285 77.175,115.285 77.18,115.28 77.18,103.255 68.475,94.55
PWR_1_V on Top Layer "pwr_1_v" (solid, shelved, pour order 1002): 59.925,94.55 59.925,102.875 61.85,104.8 61.825,104.825 61.825,114.475 49.525,114.475 48.025,112.975 48.1,112.9 48.1,94.55
GND on Top Layer "PSU1" (solid, remove dead copper, shelved, pour order 1003): 70.95,83.7 84.575,83.7 84.575,74.975 70.95,74.975
+5 on Top Layer "PSU1" (solid, shelved, pour order 1006): 74.15,100.425 74.15,97.904 70.625,97.904 70.575,97.875 70.3,98.033 70.3,100.411
+3.3 on Top Layer "PSU1" (solid, shelved, pour order 1008): 82.15,100.4 82.15,98.101 78.556,98.101 78.505,98.075 78.225,98.22 78.225,100.387
PGND on Top Layer "PGND_1" (solid, shelved, pour order 1009): 82,103 52,103 52,114.5 57.1,116.7 62.7,118.7 68.8,120.2 73.6,121 77.5,121.4 80.4,121.6 82,121.6 82,103
+P5 on Top Layer "+P5" (solid, shelved, pour order 1007): 94.9,50.8 92.9,50.8 90.9,48.8 81.5,48.8 81.5,45.5 93.2,45.5 94.9,47.2
+P12 on Top Layer "+P12" (solid, shelved, pour order 1004): 96.4,57.5 94.475,57.5 91.525,54.55 80.575,54.55 84.075,51.05 84.075,48.725 91.075,48.725 93.45,51.1 95.7,51.1 96.4,51.8
PGND on PGND (split plane): 197 vertices, not listed, extent 26.01,25.467 139.99,120.397
GND on PGND (split plane): 85.666,120.395 88.328,120.241 90.982,119.986 93.625,119.629 96.252,119.17 98.859,118.612 101.443,117.954 104,117.197 106.526,116.342 109.017,115.391 111.47,114.346 113.881,113.207 116.247,111.976 118.563,110.656 120.828,109.247 123.036,107.753 125.186,106.175 127.273,104.516 129.296,102.778 131.25,100.964 133.133,99.076 134.942,97.117 136.675,95.09 138.329,92.998 139.888,90.862 139.947,90.757 139.977,90.662 139.99,90.538 139.99,82.567 136.978,85.578 136.926,85.618 136.865,85.644 136.8,85.652 134.3,85.652 134.235,85.644 134.174,85.618 134.144,85.596 134.122,85.578 131.822,83.278 131.782,83.226 131.756,83.165 131.748,83.1 131.748,76.904 130.127,75.284 128.191,75.284 123.052,80.422 122.999,80.463 122.939,80.488 122.873,80.496 114.66,80.496 107.878,87.278 107.826,87.318 107.765,87.344 107.7,87.352 102.504,87.352 92.178,97.678 92.126,97.718 92.065,97.744 92,97.752 85.104,97.752 83.418,99.438 83.418,103.034 83.418,117.8 83.418,118.053 83.41,118.118 83.385,118.179 83.362,118.209 83.345,118.231 81.165,120.411 83,120.446
+PBAT on +PBAT (split plane): 158 vertices, not listed, extent 26.01,25.467 139.99,100.948
+3.3 on +PBAT (split plane): 85.666,120.395 88.328,120.241 90.982,119.986 93.625,119.629 96.252,119.17 98.859,118.612 101.443,117.954 104,117.197 106.526,116.342 109.017,115.391 111.47,114.346 113.881,113.207 116.247,111.976 118.563,110.656 120.828,109.247 123.036,107.753 125.186,106.175 127.273,104.516 129.296,102.778 131.25,100.964 133.133,99.076 134.942,97.117 136.675,95.09 138.329,92.998 139.888,90.862 139.947,90.757 139.977,90.662 139.99,90.538 139.99,63.467 125.58,77.877 116.178,87.278 116.126,87.318 116.065,87.344 116,87.352 102.499,87.352 92.173,97.678 92.12,97.718 92.06,97.744 91.994,97.752 80.004,97.752 77.778,99.978 77.726,100.018 77.665,100.044 77.6,100.052 77.535,100.044 77.474,100.018 77.422,99.978 70.096,92.652 45.904,92.652 44.652,93.904 44.652,98 44.644,98.065 44.618,98.126 44.578,98.178 41.378,101.378 41.326,101.418 41.265,101.444 41.2,101.452 38.8,101.452 38.735,101.444 38.674,101.418 38.622,101.378 27.822,90.578 27.782,90.526 27.756,90.465 27.748,90.4 27.748,79.729 26.01,79.729 26.01,90.538 26.023,90.662 26.053,90.757 26.112,90.862 27.671,92.998 29.325,95.09 31.058,97.117 32.867,99.076 34.75,100.964 36.704,102.778 38.727,104.516 40.814,106.175 42.964,107.753 45.172,109.247 47.437,110.656 47.823,110.876 47.823,94.5 47.831,94.435 47.857,94.374 47.897,94.322 47.949,94.282 48.01,94.256 48.075,94.248 68.5,94.248 68.565,94.256 68.626,94.282 68.678,94.322 77.173,102.816 77.213,102.868 77.238,102.929 77.246,102.994 77.246,120.2 77.672,120.241 80.334,120.395 83,120.446
PWR_2_V on +PBAT (split plane): 76.742,103.099 68.396,94.752 60.177,94.752 60.177,102.721 62.024,104.567 62.064,104.62 62.089,104.68 62.098,104.746 62.098,117.226 64.557,117.954 67.141,118.612 69.748,119.17 72.375,119.629 75.018,119.986 76.742,120.152
PWR_1_V on +PBAT (split plane): 61.594,104.85 59.747,103.003 59.707,102.951 59.681,102.89 59.673,102.825 59.673,94.752 48.327,94.752 48.327,111.163 49.753,111.976 52.119,113.207 54.53,114.346 56.983,115.391 59.474,116.342 61.594,117.059
NetP10_2 on +PBAT (split plane): 139.99,25.985 139.974,25.848 139.938,25.745 139.88,25.653 139.803,25.576 139.711,25.518 139.608,25.482 139.471,25.467 125.23,25.467 125.23,35.174 126.604,36.548 129.1,36.548 129.165,36.556 129.226,36.582 129.278,36.622 130.378,37.722 130.418,37.774 130.444,37.835 130.452,37.9 130.452,41.4 130.446,41.448 139.99,41.448
NetP9_2 on +PBAT (split plane): 102.748,41.4 102.748,37.8 102.756,37.735 102.782,37.674 102.822,37.622 105.074,35.37 105.074,25.467 94.529,25.467 94.392,25.482 94.289,25.518 94.197,25.576 94.12,25.653 94.062,25.745 94.026,25.848 94.01,25.985 94.01,41.448 102.754,41.448
NetP14_2 on +PBAT (split plane): 120.948,41.4 120.948,38.104 118.26,35.417 118.22,35.364 118.195,35.304 118.186,35.238 118.186,25.467 112.184,25.467 112.184,41.369 112.175,41.434 112.169,41.448 120.954,41.448
NetP16_2 on +PBAT (split plane): 111.688,41.434 111.679,41.369 111.679,25.467 105.578,25.467 105.578,35.474 105.57,35.539 105.544,35.6 105.504,35.652 103.252,37.904 103.252,41.4 103.246,41.448 111.694,41.448
NetP12_2 on +PBAT (split plane): 129.948,41.4 129.948,38.004 128.996,37.052 126.5,37.052 126.435,37.044 126.374,37.018 126.322,36.978 124.8,35.456 124.76,35.404 124.735,35.343 124.726,35.278 124.726,25.467 118.691,25.467 118.691,35.134 121.378,37.822 121.418,37.874 121.444,37.935 121.452,38 121.452,41.4 121.446,41.448 129.954,41.448

## Other copper
Top Layer:
  rectangle net NetQ2_5: 50.175,82.4 68.625,90.075
  rectangle net +P5: 111.5,49 121.7,57.5
  rectangle net NetQ1_1: 54.025,90.475 57.325,95.175
  rectangle net NetQ3_1: 61.125,90.475 64.425,95.175
  rectangle net +P5: 113.7,49.9 119.5,53.8
  rectangle net +P12: 95.45,51.1 110.5,57.5
  region net +3.3: 79.875,101.675 79.875,95.45 82.75,95.45 82.75,101.675
  region net +5: 69.675,101.675 69.675,95.45 72.5,95.45 72.5,101.675
  region net GND: 76.15,90.875 76.15,88.875 80.25,88.875 80.25,90.875
  region net NetC1_1: 77.55,85.925 77.55,82.875 78.35,82.875 78.35,85.925
  region net NetD2_1: 74.825,84.325 74.825,82.725 76.25,82.725 76.25,84.325
  region net NetC2_1: 80.725,88.075 80.725,85.325 82.025,85.325 82.025,88.075
  region net NetD1_1: 79.625,84.325 79.625,82.725 80.925,82.725 80.925,84.325
  region net NetC3_1: 73.725,94.325 73.725,87.825 75.725,87.825 75.725,94.325
  region net NetC2_1: 80.725,92.525 80.725,87.825 82.725,87.825 82.725,92.525
  region net GND: 72.875,82.466 72.875,81.35 83.35,81.35 83.35,82.466
  region net +PBAT: 38.1,84.4 34.6,84.4 34.6,92 27.1,92 36.6,101.5 38.7,101.5 38.7,97.9 43.6,97.9 43.6,93.5 40.2,90.1 38.1,90.1
  region net +PBAT: 95.6,48.6 122.8,48.6 122.8,57.5 137.7,57.5 137.7,42.2 95.6,42.2
  region net NetP9_2: 101.3,37.3 103.8,34.8 103.8,32.8 102.9,31.9 96.9,31.9 95.2,33.6 95.2,37.3
  region net NetC3_1: 77.35,82.9 77.35,85.2 75.725,86.825 75.725,88.25 74.725,88.25 74.4,87.925 74.4,85.325 76.375,85.325 77.05,84.65 77.05,82.9
  region net NetC2_1: 78.85,82.925 78.85,84.625 79.55,85.325 82.025,85.325 82.025,87.3 80.725,87.3 78.55,85.125 78.55,82.925
  region net NetC1_1: 80.35,88.025 76.05,88.025 76.05,86.8 77.525,85.325 78.475,85.325 80.35,87.225
PGND (plane layer: these items are gaps in the copper):
  lines w0.5: 80.314,120.905 83.166,118.053 ; 140.5,81.714 140.486,81.714 136.8,85.4 134.3,85.4 132,83.1 132,76.8 130.231,75.031 128.086,75.031 122.873,80.244 114.556,80.244 107.7,87.1 102.4,87.1 92,97.5 85,97.5 83.166,99.334 83.166,103.034 83.166,117.8 ; 83.166,117.8 83.166,118.053 ; 83.166,117.8 83.166,118.053
+PBAT (plane layer: these items are gaps in the copper):
  lines w0.5: 25.5,79.477 27.923,79.477 28,79.4 28,90.4 38.8,101.2 41.2,101.2 44.4,98 44.4,93.8 45.8,92.4 70.2,92.4 77.6,99.8 79.9,97.5 82.1,97.5 91.994,97.5 ; 48.075,111.444 48.075,94.5 59.1,94.5 59.925,94.5 ; 61.846,117.683 61.846,104.746 59.925,102.825 59.925,94.5 ; 76.994,120.689 76.994,102.994 68.5,94.5 59.925,94.5 ; 84.3,97.5 91.994,97.5 ; 93.8,41.7 140.799,41.7 ; 103,41.4 103,37.8 105.326,35.474 105.326,24.956 ; 111.931,24.956 111.931,41.369 ; 118.438,24.956 118.438,35.238 121.2,38 121.2,41.4 ; 124.978,24.956 124.978,35.278 126.5,36.8 129.1,36.8 130.2,37.9 130.2,41.4 ; 140.5,62.6 125.402,77.698 116,87.1 102.394,87.1 91.994,97.5

## Silkscreen, mask and mechanical layers (free items; w line width, h text height)
Top Overlay:
  rectangle: 75.1,115.7 80.105,117.2
  lines w0.1: 25.5,25.956 25.5,90.564 25.521,90.766 25.582,90.96 25.681,91.138 27.265,93.307 28.931,95.414 30.676,97.456 32.499,99.429 34.396,101.331 36.364,103.159 38.401,104.91 40.504,106.581 42.67,108.17 44.894,109.676 47.175,111.094 49.509,112.425 51.892,113.664 54.321,114.812 56.792,115.865 59.301,116.823 61.846,117.683 64.421,118.446 67.024,119.109 69.651,119.672 72.297,120.133 74.959,120.493 77.633,120.75 80.314,120.905 83,120.956 85.686,120.905 88.367,120.75 91.041,120.493 93.703,120.133 96.349,119.672 98.976,119.109 101.579,118.446 104.154,117.683 106.699,116.823 109.208,115.865 111.679,114.812 114.108,113.664 116.491,112.425 118.825,111.094 121.106,109.676 123.33,108.17 125.496,106.581 127.599,104.91 129.636,103.159 131.604,101.331 133.501,99.429 135.324,97.456 137.069,95.414 138.735,93.307 140.319,91.138 140.418,90.96 140.479,90.766 140.5,90.564 140.5,25.956 140.475,25.734 140.401,25.522 140.282,25.333 140.123,25.174 139.934,25.055 139.723,24.981 139.5,24.956 94.5,24.956 94.277,24.981 94.066,25.055 93.877,25.174 93.718,25.333 93.599,25.522 93.525,25.734 93.5,25.956 93.5,43.956 93.475,44.179 93.401,44.39 93.282,44.58 93.123,44.738 92.934,44.857 92.723,44.931 92.5,44.956 73.5,44.956 73.277,44.931 73.066,44.857 72.877,44.738 72.718,44.58 72.599,44.39 72.525,44.179 72.5,43.956 72.5,25.956 72.475,25.734 72.401,25.522 72.282,25.333 72.123,25.174 71.934,25.055 71.723,24.981 71.5,24.956 26.5,24.956 26.277,24.981 26.066,25.055 25.876,25.175 25.718,25.333 25.599,25.522 25.525,25.734 25.5,25.956
  lines w0.2: 37.2,82.9 37.2,103.1 67.2,103.1 67.2,82.9 37.2,82.9
  text "EMERGENCY" at 71.047,117.726 h1.5
  text "STOP" at 71.047,116.226 h1.5
  text "WATCHDOG" at 95.6,111.2 h1.5
  text "HEAT SINK" at 54.9,101.1 h2.5
  text "CAN 1 [3A]" at 130.075,89.725 h2 r270
  text "CAN 2 [3A]" at 130.075,78.55 h2 r270
Bottom Overlay:
  drawing of 15 lines, arcs and shapes, not listed
  text "PDB" at 72.562,95.386 h8
  text "VERSION 2.0.0" at 72.937,92.536 h2.6
  text "JAMES BUCKLEY" at 70.475,31 h1.4
  text "© 2012" at 67.575,29.775 h1.4
Top Solder:
  rectangle: 34.6,84.3 38.7,99.4
  rectangle: 61.125,90.475 64.425,95.175
  rectangle: 54.025,90.475 57.325,95.175
  rectangle: 51.675,84.3 65.325,90.3

## Text inside footprints (layer, text, board x,y; h text height)
P1: Top Overlay "6" at 72.7,111 h2 r180; Top Overlay "4" at 77,110.9 h2 r180; Top Overlay "2" at 81.2,110.9 h2 r180; Top Overlay "5" at 72.7,105.3 h2 r180; Top Overlay "3" at 77,105.3 h2 r180; Top Overlay "1" at 81.2,105.3 h2 r180; Top Overlay "Mini-Fit Jr." at 81,109.2 h2.8 r180
P2: Top Overlay "6" at 57.6,111 h2 r180; Top Overlay "4" at 61.9,110.9 h2 r180; Top Overlay "2" at 66.1,110.9 h2 r180; Top Overlay "5" at 57.6,105.3 h2 r180; Top Overlay "3" at 61.9,105.3 h2 r180; Top Overlay "1" at 66.1,105.3 h2 r180; Top Overlay "Mini-Fit Jr." at 65.9,109.2 h2.8 r180
P4: Top Overlay "10" at 123.2,95.35 h1; Top Overlay "9" at 124.025,99.3 h1; Top Overlay "2" at 131.25,95.35 h1; Top Overlay "1" at 131.25,99.3 h1
P5: Top Overlay "JST  PA" at 136.7,79.2 h1.5 r270
P6: Top Overlay "JST  PA" at 136.7,89.8 h1.5 r270
P9: Top Overlay "4" at 99.825,33.575 h2 r180; Top Overlay "2" at 104.075,33.525 h2 r180; Top Overlay "3" at 99.825,27.85 h2 r180; Top Overlay "1" at 103.975,27.875 h2 r180; Top Overlay "Mini-Fit Jr." at 104.25,31.725 h2 r180
P10: Top Overlay "2" at 130.3,32.9 h2 r180; Top Overlay "1" at 130.175,27.775 h2 r180
P11: Top Overlay "2" at 89.85,54.625 h1.5 r270; Top Overlay "1" at 88.325,57.175 h1.5 r270; Top Overlay "Micro-Fit 3.0" at 85.85,58.775 h1.2 r270
P12: Top Overlay "2" at 123.7,32.9 h2 r180; Top Overlay "1" at 123.575,27.775 h2 r180
P13: Top Overlay "2" at 89.85,63.225 h1.5 r270; Top Overlay "1" at 88.325,65.775 h1.5 r270; Top Overlay "Micro-Fit 3.0" at 85.85,67.375 h1.2 r270
P14: Top Overlay "2" at 117.2,32.9 h2 r180; Top Overlay "1" at 117.075,27.775 h2 r180
P15: Top Overlay "1" at 86,74 h1.5 r270
P16: Top Overlay "2" at 110.6,32.9 h2 r180; Top Overlay "1" at 110.475,27.775 h2 r180
U5: Top Overlay "BRICK PSU" at 63.88,72.7 h8 r270; Top Overlay "+INPUT" at 59.68,78.2 h2.5 r270; Top Overlay "-INPUT" at 44.48,78.2 h2.5 r270; Top Overlay "ON/OFF" at 52.08,78.2 h2.5 r270; Top Overlay "+OUTPUT" at 59.58,40.895 h2.5 r270; Top Overlay "-OUTPUT" at 44.28,40.3 h2.5 r270; Top Overlay "+SENSE" at 55.755,39.217 h2.5 r270; Top Overlay "-SENSE" at 48.105,38.622 h2.5 r270; Top Overlay "TRIM" at 51.9,35.783 h2.5 r270